# Altium PCB 2019.07.15.master.PcbDoc (part 7 of 7)
Units mm, origin at the board's own origin, x right, y up, seen from the top; angles counter-clockwise.
Board outline 160 x 120 mm, 6 copper layers (Top Signal, Top GND, Inner PWR, Inner Signal, Bottom GND, Bottom Signal), stack 1.571 mm thick; 408 components, 388 nets, 1700 pads, 1310 vias.
Unrouted connection lines stored in the file: 2.
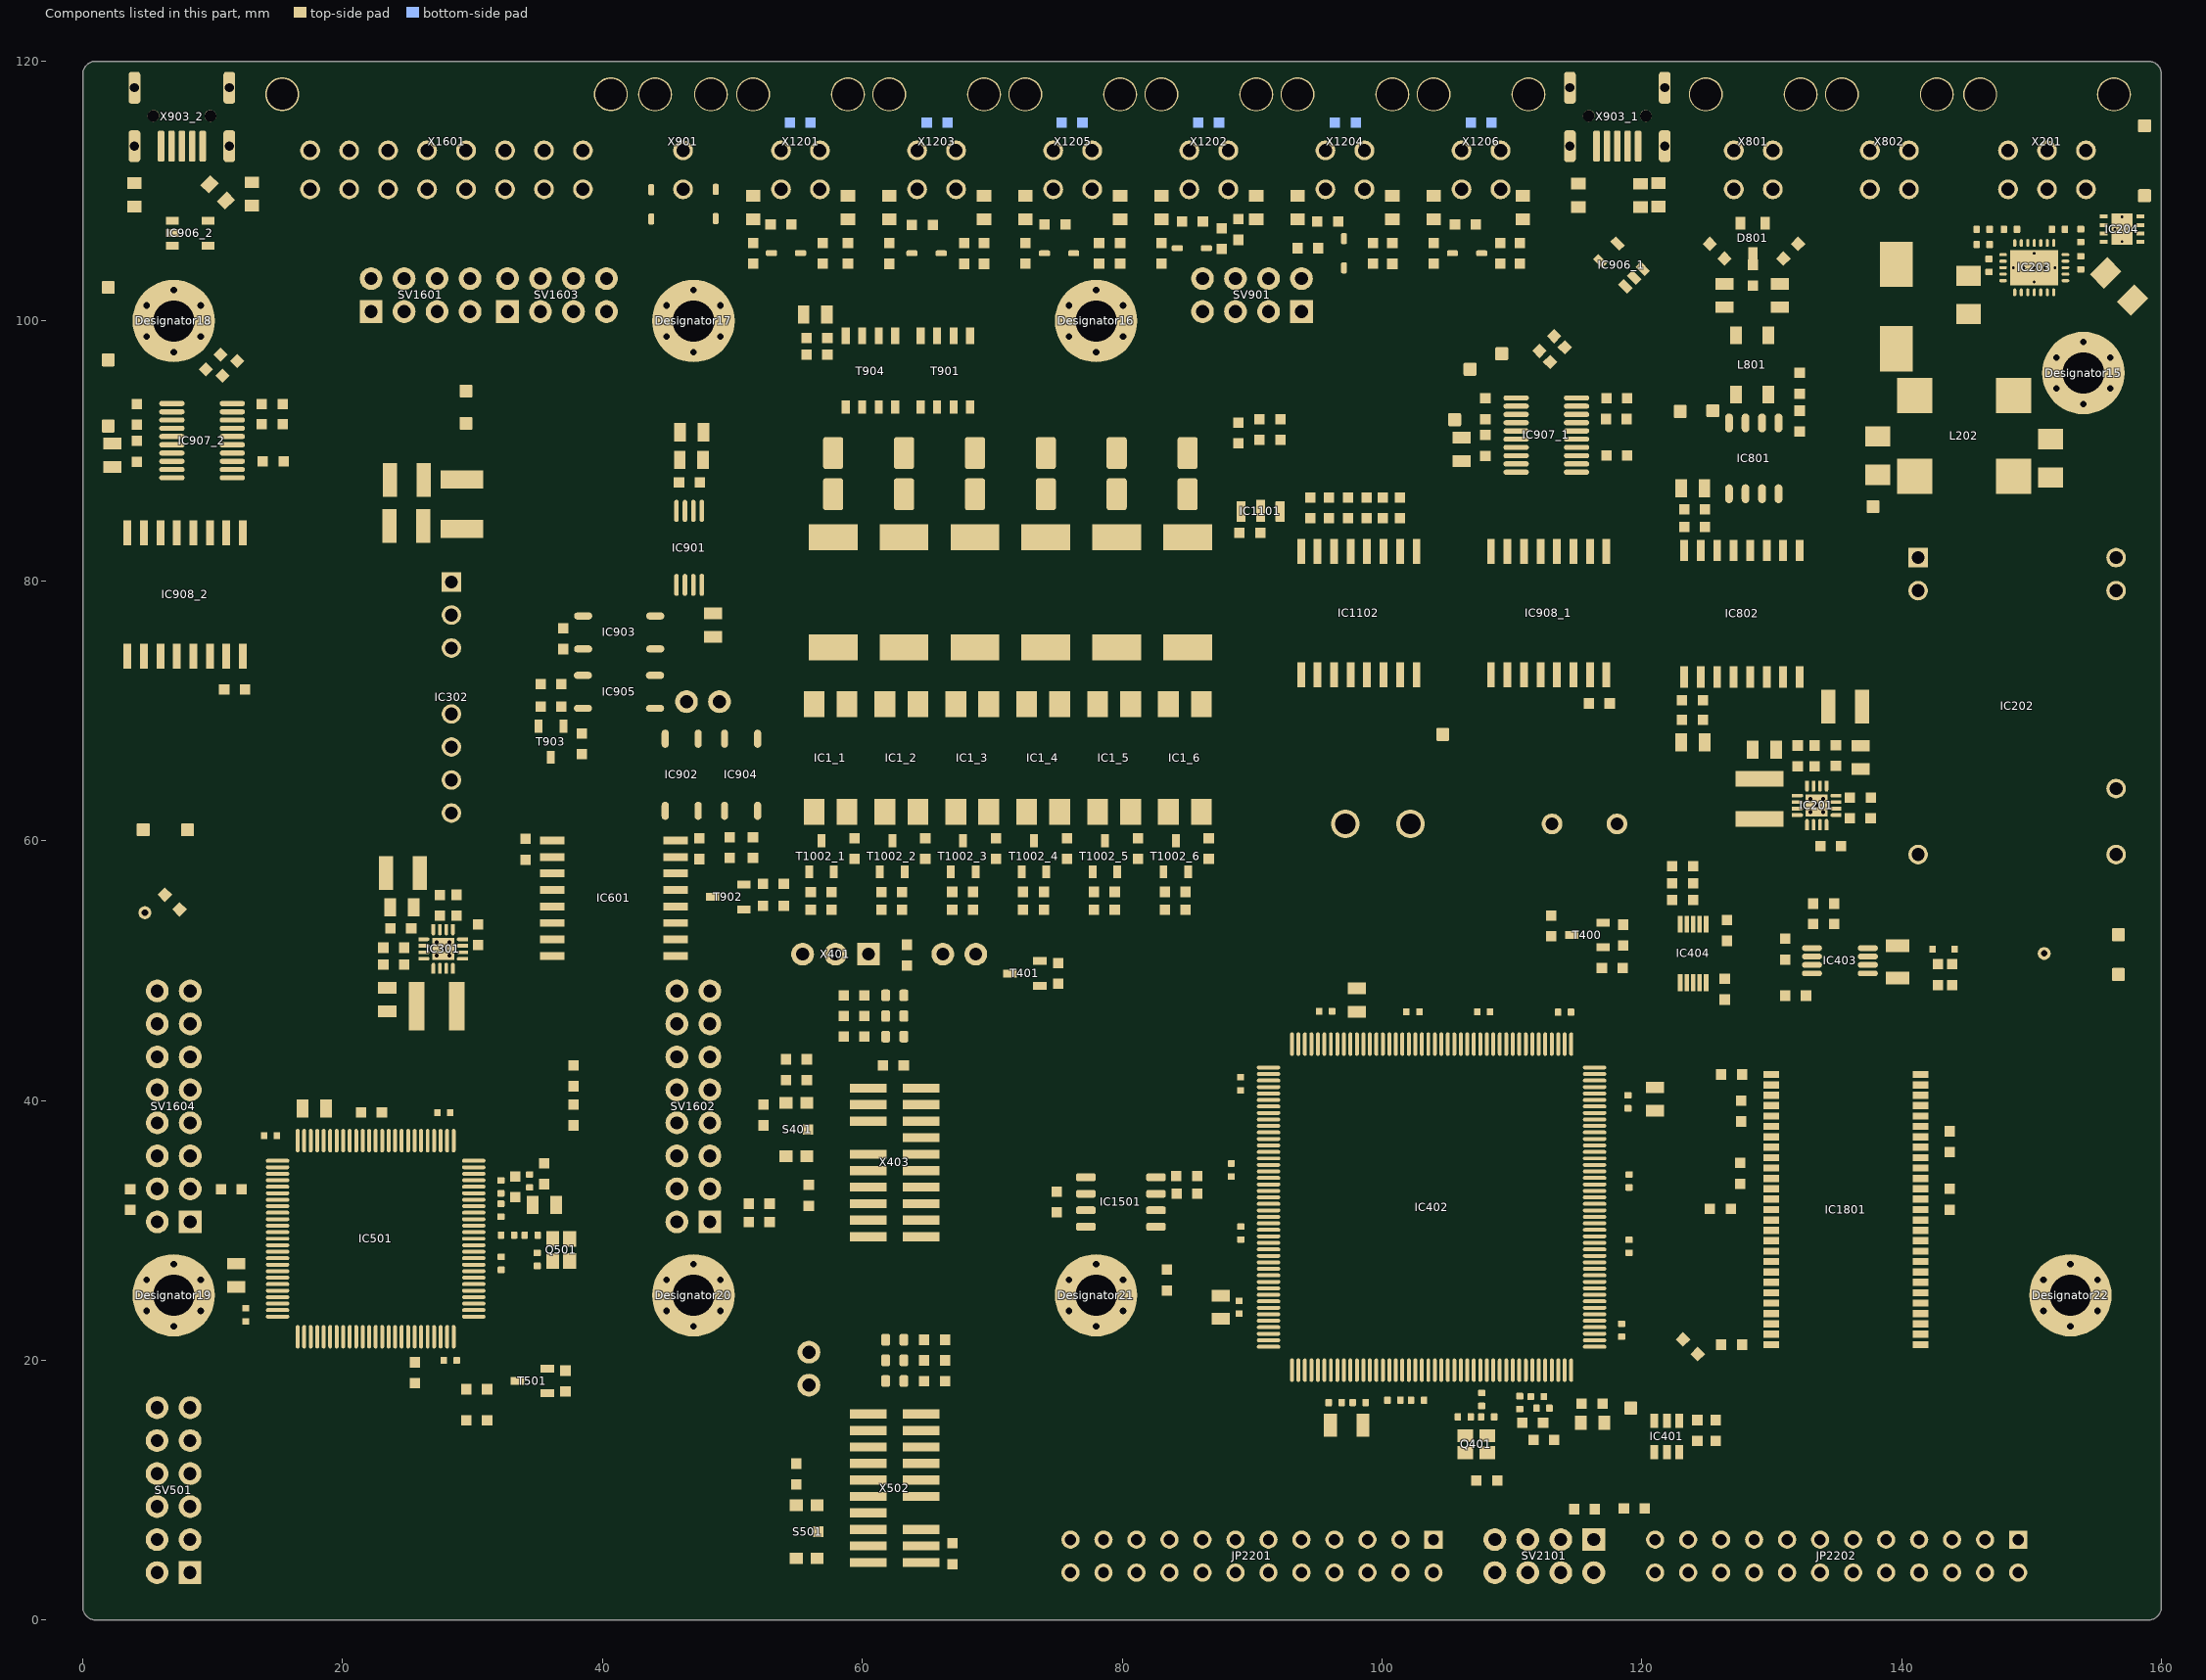
[diagram p11: the components of this part, seen from the top]

## Dimensions (continued)
0,119 to 76.2,117.46 on Mechanical 16
0,119 to 65.722,117.46 on Mechanical 16
0,119 to 55.245,117.46 on Mechanical 16
0,119 to 46.2,117.46 on Mechanical 16
0,119 to 7.5,115.555 on Mechanical 16
160,119 to 137.65,84.44 on Mechanical 16
157.956,120 to 152.559,87.25 on Mechanical 16
157.956,120 to 150.654,54.75 on Mechanical 16
1,120 to 26.511,60.2 on Mechanical 16
52,120 to 22.4,80.948 on Mechanical 16
52,120 to 31.6,81.265 on Mechanical 16
158,0 to 90,4 on Mechanical 16
158,0 to 112.5,4 on Mechanical 16
158,0 to 135,4 on Mechanical 16
160,120 to 90,4 on Mechanical 16
0,120 to 26.035,82 on Mechanical 16
2,20 to 47,37 on Mechanical 16
0,120 to 7,39.54 on Mechanical 16
2,20 to 7,37 on Mechanical 16
0,120 to 26,102 on Mechanical 16
2,20 to 153,25.068 on Mechanical 16
2,20 to 78,25.068 on Mechanical 16
0,120 to 6.032,117.46 on Mechanical 16
52,120 to 26,102 on Mechanical 16
52,120 to 36.5,102 on Mechanical 16
2,20 to 52,31.1 on Mechanical 16
0,120 to 2,123.81 on Mechanical 16
0,120 to 6.985,25 on Mechanical 16
0,120 to 6.985,99.998 on Mechanical 16
0.953,120.044 to 0.953,0.044 on Mechanical 16
2,120 to 158,120 on Mechanical 16
0,120 to 160,120 on Mechanical 16